# KiCad board P5S533-TVM ISA R101G.kicad_pcb (continued)
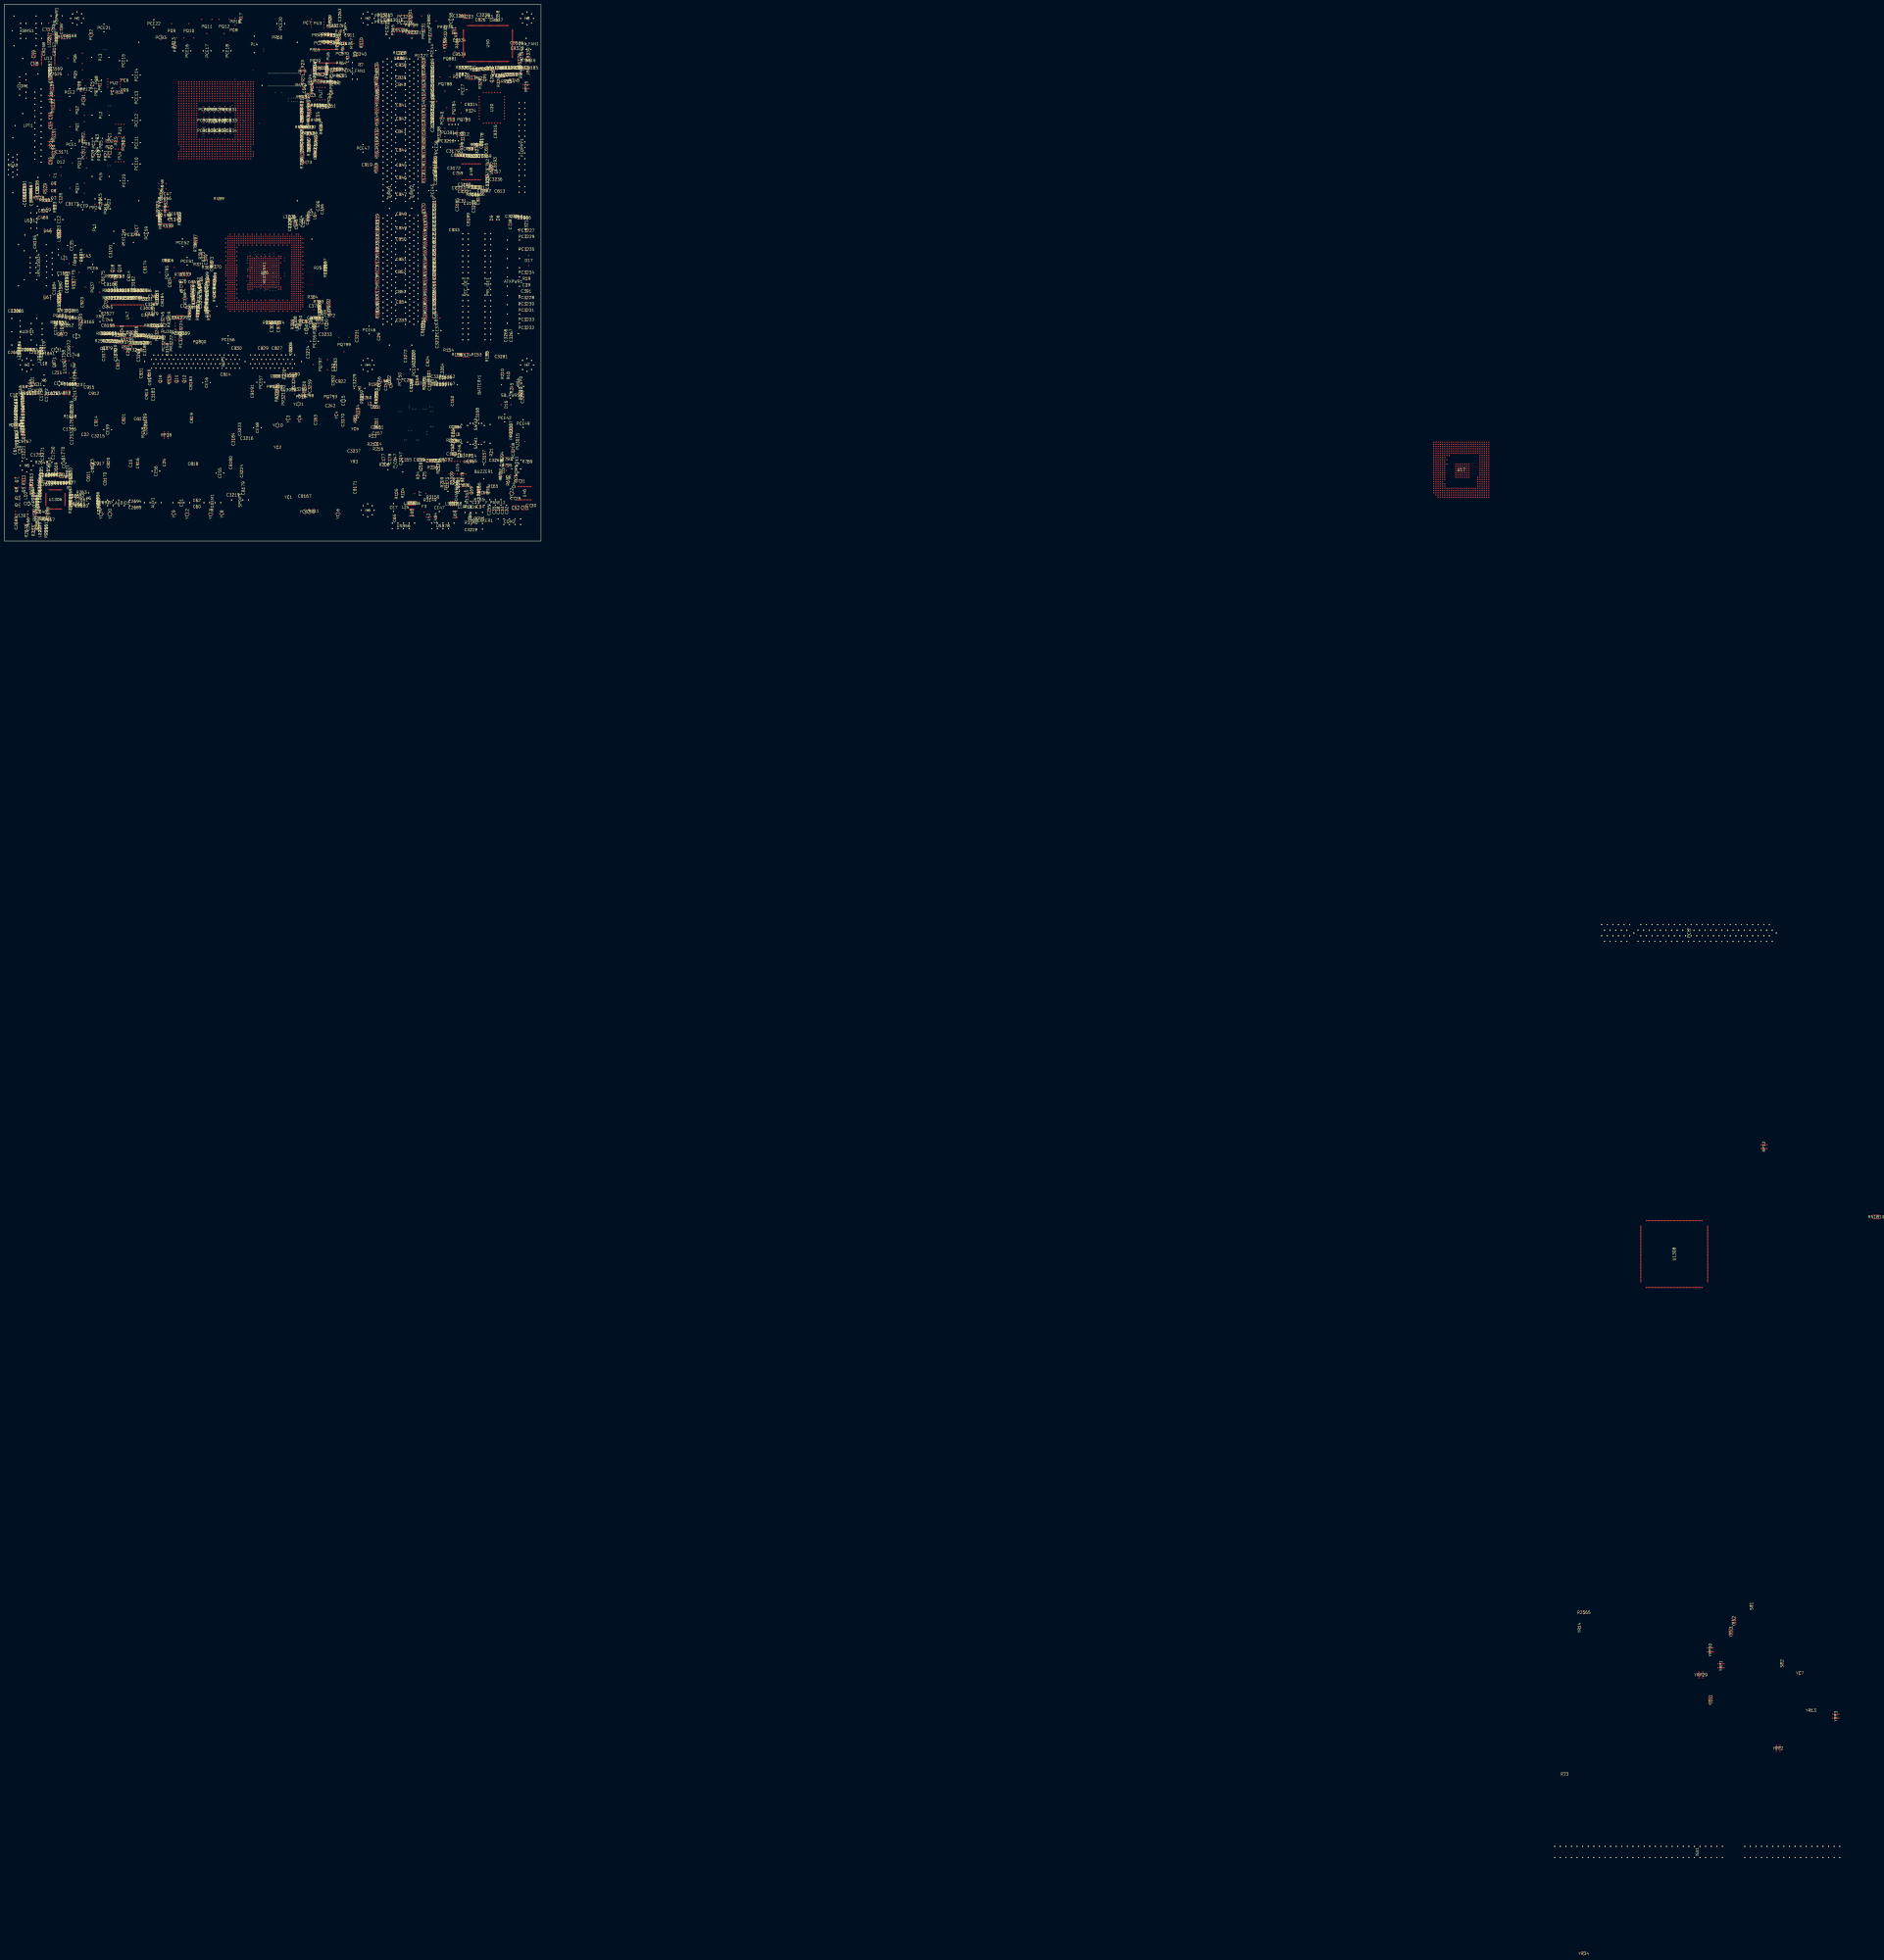
[diagram p0: board, top side]
## Placement (name value [footprint] x y rotation side) (continued)
C1773  0.1UF/25V|MLCC/+80%-20%  [C0603]  5.46 66.42 180 top
C1774  0.1UF/25V|MLCC/+80%-20%  [C0603]  5.23 64.14 90 top
C1775  0.01U|+/-10%  [C0603]  5.23 57.71 270 top
C1776  0.01U|+80%-20%  [C0603]  28.52 118.14 90 top
C1777  0.01U|+80%-20%  [C0603]  28.45 119.43 90 top
C1778  0.01U|+80%-20%  [C0603]  28.45 115.54 90 top
C1779  0.01U|+80%-20%  [C0603]  28.45 116.81 90 top
C1781  0.01U|+/-10%  [C0603]  5.74 52.68 0 top
C1784  0.1UF/25V|MLCC/+80%-20%  [C0603]  8.43 59.99 90 top
C2646  1U|+80%-20%  [C0603]  16.33 13.34 0 top
C2647  1U|+80%-20%  [C0603]  21.84 26.42 0 top
C2648  1U|+80%-20%  [C0603]  20.07 29.97 0 top
C2649  4700P|+/-10%  [C0603]  18.8 29.97 180 top
C2650  4700P|+/-10%  [C0603]  21.39 29.97 0 top
C2651  2.2UF/6.3V|MLCC/+80%-20%  [C0603]  19.05 25.78 180 top
C2652  47P|+/-5%  [C0603]  33.4 20.47 180 top
C2653  2.2UF/6.3V|MLCC/+80%-20%  [C0603]  20.32 26.67 180 top
C2654  C0402|0.1UF  [C0402]  30.02 17.09 270 top
C2655  C0402|0.1UF  [C0402]  29.97 20.83 270 top
C2656  0.1UF/25V|MLCC/+80%-20%  [C0603]  42.47 19.43 90 top
C2657  0.1UF/25V|MLCC/+80%-20%  [C0603]  18.29 10.03 180 top
C2658  C0402|0.1UF  [C0402]  16.13 20.32 270 top
C2660  22P|+/-5%  [C0603]  35.05 15.98 180 top
C2661  22P|+/-5%  [C0603]  35.05 18.8 0 top
C2662  1U|+80%-20%  [C0603]  12.95 21.72 270 top
C2663  C0402|0.1UF  [C0402]  16 21.59 270 top
C2664  1000P|+/-10%  [C0603]  14.86 19.18 270 top
C2665  0.1UF/25V|MLCC/+80%-20%  [C0603]  5.33 8.13 270 top
C2666  10UF|+80%-20%  [C1206]  10.79 7.62 90 top
C2667  0.1UF/25V|MLCC/+80%-20%  [C0603]  16.26 23.11 90 top
C2668  1000P|+/-10%  [C0603]  14.86 17.91 270 top
C2669  1UF/10V|MLCC/+80%-20%  [C0603]  26.92 26.42 0 top
C2670  1U|+80%-20%  [C0603]  14.99 16.64 270 top
C2672  1UF/10V|MLCC/+80%-20%  [C0603]  28.19 26.42 0 top
C2674  1U|+80%-20%  [C0603]  15.37 15.37 270 top
C2675  1UF/10V|MLCC/+80%-20%  [C0603]  23.11 26.42 0 top
C2676  1UF/10V|MLCC/+80%-20%  [C0603]  25.65 26.42 0 top
C2677  C0402|0.1UF  [C0402]  29.46 26.54 0 top
C2678  1UF/10V|MLCC/+80%-20%  [C0603]  24.38 26.42 0 top
C2679  100P|+/-5%  [C0603]  27.89 29.21 0 top
C2680  100P|+/-5%  [C0603]  16.64 85.09 90 top
C2681  100P|+/-5%  [C0603]  16.76 86.49 90 top
C2682  100P|+/-5%  [C0603]  10.67 87 0 top
C2683  100P|+/-5%  [C0603]  12.19 87.02 0 top
C2684  100P|+/-5%  [C0603]  4.47 85.72 0 top
C2685  100P|+/-5%  [C0603]  6.76 87.86 90 top
C2686  4.7U|+80%-20%  [C0805]  16 25.35 270 top
C2687  4.7U|+80%-20%  [C0805]  16.13 27.38 270 top
C2688  4.7U|+80%-20%  [C0805]  19.74 12.45 90 top
C2689  100P|+/-5%  [C0603]  59.31 15.24 0 top
C2690  100P|+/-5%  [C0603]  42.85 15.01 270 top
C2691  100P|+/-5%  [C0603]  42.88 16.33 270 top
C2692  C0402|0.1UF  [C0402]  44.78 17.53 0 top
C2693  100P|+/-5%  [C0603]  42.47 18.16 90 top
C2694  100P|+/-5%  [C0603]  59.31 18.03 180 top
C3006  C0402|0.1UF  [C0402#4]  64.64 105.79 0 top
C3150  10P|+/-5%  [C0603]  145.8 124.16 270 top
C3157  C0402|0.1UF  [C0402]  218.06 38.35 270 top
C3158  C0402|0.1UF  [C0402]  74.04 87.12 270 top
C3159  C0402|0.1UF  [C0402#2]  184.91 70.61 90 top
C3166  C0402|0.1UF  [C0402#2]  215.26 157.61 180 top
C3167  C0402|0.1UF  [C0402#2]  208.91 161.93 180 top
C3168  C0402|0.1UF  [C0402#3]  215.01 57.53 270 top
C3169  C0402|0.1UF  [C0402]  23.39 214.58 0 top
C3170  C0402|0.1UF  [C0402]  153.8 54.89 270 top
C3171  C0402|0.1UF  [C0402#2]  26.16 176.78 180 top
C3172  C0402|0.1UF  [C0402]  204.22 169.42 0 top
C3173  C0402|0.1UF  [C0402]  45.09 84.71 270 top
C3174  C0402|0.1UF  [C0402#2]  200.41 70.99 180 top
C3176  C0402|0.1UF  [C0402]  50.55 117.73 270 top
C3178  C0402|0.1UF  [C0402#4]  217.04 182.5 90 top
C3179  C0402|0.1UF  [C0402]  203.71 177.16 0 top
C3182  C0402|0.1UF  [C0402#2]  58.55 117.22 90 top
C3183  C0402|0.1UF  [C0402#2]  67.56 66.55 90 top
C3184  C0402|0.1UF  [C0402#2]  104.01 46.23 90 top
C3185  C0402|0.1UF  [C0402]  205.74 152.78 270 top
C3187  C0402|0.1UF  [C0402]  69.34 110.74 270 top
C3189  C0402|0.1UF  [C0402]  63.75 87.12 270 top
C3190  C0402|0.1UF  [C0402]  211.58 153.42 0 top
C3191  C0402|0.1UF  [C0402#2]  48.23 131.7 90 top
C3205  0.01U|+80%-20%  [C0603]  89.13 108.69 90 top
C3206  C0402|0.1UF  [C0402#2]  91.95 108.66 90 top
C3207  0.01U|+80%-20%  [C0603]  129.79 145.03 270 top
C3208  C0402|0.1UF  [C0402]  129.67 143.76 270 top
C3209  C0402|0.1UF  [C0402#2]  200.28 74.17 180 top
C3210  C0402|0.1UF  [C0402]  196.72 71.12 0 top
C3214  C0402|0.1UF  [C0402]  34.8 129.92 270 top
C3215  C0402|0.1UF  [C0402]  42.55 47.75 0 top
C3216  C0402|0.1UF  [C0402#2]  110.11 46.69 180 top
C3218  C0402|0.1UF  [C0402#2]  213.23 152.02 90 top
C3219  C0402|0.1UF  [C0402]  103.89 20.95 0 top
C3220  C0402|0.1UF  [C0402]  235.33 65.53 270 top
C3221  C0402|0.1UF  [C0402]  8.64 40.39 270 top
C3222  C0402|0.1UF  [C0402]  211.96 5.08 0 top
C3223  C0402|0.1UF  [C0402]  106.93 50.8 270 top
C3224  C0402|0.1UF  [C0402]  107.82 31.75 270 top
C3225  C0402|0.1UF  [C0402#2]  64.26 51.31 90 top
C3228  C0402|0.1UF  [C0402]  185.93 83.82 270 top
C3229  C0402|0.1UF  [C0402]  159.13 72.9 270 top
C3230  C0402|0.1UF  [C0402]  185.93 82.8 270 top
C3231  C0402|0.1UF  [C0402]  160.15 93.22 270 top
C3232  C0402|0.1UF  [C0402]  196.6 90.55 270 top
C3233  C0402|0.1UF  [C0402#2]  145.8 93.85 180 top
C3234  C0402|0.1UF  [C0402]  137.92 85.72 270 top
C3235  C0402|0.1UF  [C0402#2]  195.33 110.62 90 top
C3236  C0402|0.1UF  [C0402]  223.27 164.34 0 top
C3237  C0402|0.1UF  [C0402]  158.8 40.89 0 top
C3238  C0402|0.1UF  [C0402]  217.55 239.01 0 top
C3239  C0402|0.1UF  [C0402]  230.5 147.57 0 top
C3240  C0402|0.1UF  [C0402#2]  161.54 221.23 180 top
C3246  C0402|0.1UF  [C0402]  206.76 40.87 270 top
C3247  C0402|0.1UF  [C0402]  180.09 37.47 270 top
C3260  C0402|0.1UF  [C0402]  223.14 36.7 0 top
C3261  C0402|0.1UF  [C0402]  206.76 238.68 0 top
C3262  C0402|0.1UF  [C0402]  232.54 147.57 0 top
C3263  C0402|0.1UF  [C0402]  152.4 239.01 270 top
C3264  C0402|0.1UF  [C0402]  199.01 77.85 270 top
C3267  C0402|0.1UF  [C0402#2]  230.25 93.34 90 top
C3268  C0402|0.1UF  [C0402#4]  227.79 93.34 270 top
C3269  C0402|0.1UF  [C0402]  60.96 84.33 270 top
C3270  C0402|0.1UF  [C0402#2]  50.67 84.58 90 top
C3272  C0402|0.1UF  [C0402]  182.25 84.07 270 top
C3273  C0805|10UF/10V  [C0805]  219.58 166.12 270 top
C3274  0.1U|+80%-20%  [C0603]  219.58 164.08 270 top
C3275  0.01U|+80%-20%  [C0603]  219.58 162.81 270 top
C3276  22P|+/-5%  [C0603]  215.9 174.88 0 top
C3277  10P|+/-5%  [C0603]  214.63 174.88 0 top
C3278  C0805|10UF/10V  [C0805]  65.15 102.62 180 top
C3279  0.1U|+80%-20%  [C0603]  66.93 103.25 180 top
C3280  0.01U|+80%-20%  [C0603]  66.8 107.57 0 top
C3281  C0402|0.1UF  [C0402]  225.7 83.82 0 top
C3283  C0402|0.1UF  [C0402]  150.5 80.14 270 top
C3284  C0402|0.1UF  [C0402#2]  196.72 74.68 180 top
C3285  0.1UF/16V|MLCC/+/-10%  [C0603]  5.84 104.52 0 top
C3286  0.1UF/16V|MLCC/+/-10%  [C0603]  4.57 104.52 0 top
CB13  C0402|0.1UF  [C0402#2]  124.33 74.93 180 top
CB14  C0402|0.1UF  [C0402#2]  100.46 75.69 180 top
CB15  C0402|0.1UF  [C0402#2]  215.26 155.19 90 top
CB16  C0402|0.1UF  [C0402#2]  59.94 95.25 90 top
CB25  C0402|0.1UF  [C0402]  130.18 87.12 270 top
CB26  C0402|0.1UF  [C0402]  130.05 88.14 270 top
CB27  C0402|0.1UF  [C0402]  123.83 87.63 0 top
CB28  C0402|0.1UF  [C0402#2]  123.19 74.93 180 top
CB29  C0402|0.1UF  [C0402]  117.47 87.63 0 top
CB30  C0402|0.1UF  [C0402]  105.41 87.63 0 top
CB31  C0402|0.1UF  [C0402#2]  62.1 76.2 90 top
CB32  C0402|0.1UF  [C0402]  149.35 73.03 270 top
CB33  C0402|0.1UF  [C0402]  204.34 141.35 0 top
CB34  C0402|0.1UF  [C0402]  75.18 117.6 270 top
CB35  C0402|0.1UF  [C0402#3]  180.72 219.33 180 top
CB36  C0402|0.1UF  [C0402#3]  179.32 219.33 180 top
CB37  C0402|0.1UF  [C0402]  180.59 221.62 0 top
CB38  C0402|0.1UF  [C0402#2]  180.21 216.28 180 top
CB39  C0402|0.1UF  [C0402#2]  180.09 210.57 180 top
CB40  C0402|0.1UF  [C0402#2]  180.09 207.39 180 top
CB41  C0402|0.1UF  [C0402#2]  180.34 198.12 180 top
CB42  C0402|0.1UF  [C0402#2]  180.24 191.9 180 top
CB43  C0402|0.1UF  [C0402#2]  180.09 186.06 180 top
CB44  C0402|0.1UF  [C0402#2]  180.34 177.67 180 top
CB45  C0402|0.1UF  [C0402#2]  180.34 170.81 180 top
CB46  C0402|0.1UF  [C0402#2]  180.34 165.1 180 top
CB47  C0402|0.1UF  [C0402#2]  180.34 157.48 180 top
CB48  C0402|0.1UF  [C0402#2]  180.34 148.59 180 top
CB49  C0402|0.1UF  [C0402#2]  180.34 142.24 180 top
CB50  C0402|0.1UF  [C0402#2]  180.21 137.16 180 top
CB51  C0402|0.1UF  [C0402#2]  180.21 128.02 180 top
CB52  C0402|0.1UF  [C0402]  180.09 122.3 0 top
CB53  C0402|0.1UF  [C0402#2]  180.09 113.28 180 top
CB54  C0402|0.1UF  [C0402#2]  180.34 108.58 180 top
CB78  C0402|0.1UF  [C0402#2]  124.46 97.26 90 top
CB79  C0402|0.1UF  [C0402#2]  139.95 101.37 180 top
CB80  C0402|0.1UF  [C0402]  143.26 106.83 270 top
CB81  1UF/10V|MLCC/+80%-20%  [C0603]  127.38 128.02 180 bottom
CB82  0.1U|+80%-20%  [C0603]  127.38 121.03 180 bottom
CB83  0.1U|+80%-20%  [C0603#4]  111.63 124.21 90 bottom
CB84  1UF/10V|MLCC/+80%-20%  [C0603]  122.17 117.22 180 bottom
CB85  0.1U|+80%-20%  [C0603]  116.46 115.32 0 bottom
CB86  1UF/10V|MLCC/+80%-20%  [C0603]  121.92 114.43 0 bottom
CB87  1UF/10V|MLCC/+80%-20%  [C0603#4]  111.63 116.97 90 bottom
CB88  1UF/10V|MLCC/+80%-20%  [C0603#4]  111 127.51 90 bottom
CB89  0.1U|+80%-20%  [C0603#4]  111 119.89 90 bottom
CB90  0.1U|+80%-20%  [C0603]  111.12 113.41 0 bottom
CB91  0.1U|+80%-20%  [C0603]  114.68 114.68 0 bottom
CB92  0.1U|+80%-20%  [C0603#4]  110.74 118.24 90 bottom
CB93  1UF/10V|MLCC/+80%-20%  [C0603]  118.24 129.54 180 bottom
CB94  0.1U|+80%-20%  [C0603]  115.19 129.54 180 bottom
CB95  1UF/10V|MLCC/+80%-20%  [C0603#4]  111 126.24 90 bottom
CB96  0.1U|+80%-20%  [C0603]  111.63 130.43 180 bottom
CB97  0.1U|+80%-20%  [C0603#4]  111.12 122.81 90 bottom
CB98  C0402|0.1UF  [C0402#2]  95.83 119.76 90 top
CB99  C0402|0.1UF  [C0402]  92.2 119.89 270 top
CB100  0.1U|+80%-20%  [C0603]  123.19 114.43 0 bottom
CB105  0.1UF/25V|MLCC/+80%-20%  [C0603]  13.84 135.89 90 top
CB106  4.7U|+80%-20%  [C1206]  194.82 199.64 90 top
CB107  4.7U|+80%-20%  [C1206]  196.22 101.35 90 top
CB108  1UF/10V|MLCC/+80%-20%  [C0603#4]  122.81 121.92 90 bottom
CB109  C0402|0.1UF  [C0402]  144.27 101.6 270 top
CB111  1UF/10V|MLCC/+80%-20%  [C0603#4]  122.81 120.02 90 bottom
CB114  0.1U|+80%-20%  [C0603]  122.43 130.18 180 bottom
CB115  4.7U|+80%-20%  [C1206]  195.33 169.67 90 top
CB132  0.1U|+80%-20%  [C0603]  20.7 215.14 270 top
CB157  0.1U|+80%-20%  [C0603]  22.68 223.55 90 top
CB158  0.1U|+80%-20%  [C0603]  17.91 223.55 270 top
CB159  0.1U|+80%-20%  [C0603]  120.65 114.43 0 bottom
CB160  1UF/10V|MLCC/+80%-20%  [C0603]  118.24 114.43 0 bottom
CB165  C0402|0.1UF  [C0402#2]  37.85 99.57 180 top
CB167  C0402|0.1UF  [C0402]  136.42 20.4 0 top
CB168  C0402|0.1UF  [C0402]  29.72 229.59 0 top
CB170  C0402|0.1UF  [C0402#2]  45.72 28.19 90 top
CB171  C0402|0.1UF  [C0402]  159.26 24.38 270 top
CB172  C0402|0.1UF  [C0402#7]  187.71 45.85 90 bottom
CB173  C0402|0.1UF  [C0402]  30.73 153.16 0 top
CB174  C0402|0.1UF  [C0402#2]  63.88 124.59 90 top
CB175  C0402|0.1UF  [C0402]  44.83 119.76 270 top
CB177  C0402|0.1UF  [C0402]  66.04 73.66 270 top
CB178  C0402|0.1UF  [C0402]  208.15 28.32 270 top
CB179  C0402|0.1UF  [C0402#2]  108.58 24 90 top
CB180  C0402|0.1UF  [C0402#3]  102.87 35.56 90 top
CB181  C0402|0.1UF  [C0402#8]  194.18 51.94 270 bottom
CB182  C0402|0.1UF  [C0402]  189.99 96.01 270 top
CB183  C0402|0.1UF  [C0402#2]  84.71 71.75 90 top
CB184  C0402|0.1UF  [C0402]  71.75 109.6 270 top
CB185  C0402|0.1UF  [C0402]  239.5 215.04 0 top
CB186  C0402|0.1UF  [C0402]  48.13 116.59 0 top
CB188  C0402|0.1UF  [C0402]  46.99 97.92 0 top
CB189  C0402|0.1UF  [C0402]  210.82 146.05 270 top
CB191  C0402|0.1UF  [C0402#2]  112.65 68.07 90 top
CB192  C0402|0.1UF  [C0402#2]  200.63 37.06 180 top
CB193  C0402|0.1UF  [C0402#2]  223.01 171.45 90 top
CB314  C0402|0.1UF  [C0402]  212.04 198.37 0 top
CB315  C0402|0.1UF  [C0402]  223.14 186.06 270 top
CB326  C0402|0.1UF  [C0402#3]  230.5 215.01 180 top
CB327  C0402|0.1UF  [C0402#2]  234.95 215.26 180 top
CB328  0.1U|+80%-20%  [C0603]  233.02 223.9 0 top
CB329  C0402|0.1UF  [C0402#3]  228.98 215.01 0 top
CB330  0.1U|+80%-20%  [C0603]  238 221.21 270 top
CB331  C0402|0.1UF  [C0402]  226.69 214.88 0 top
CB332  C0402|0.1UF  [C0402]  227.71 214.88 0 top
CB534  C0402|0.1UF  [C0402#2]  206.68 227.58 180 top
CB536  C0402|0.1UF  [C0402]  232.79 226.31 0 top
CB537  C0402|0.1UF  [C0402]  223.52 236.73 0 top
CB539  C0402|0.1UF  [C0402#2]  206.6 221.18 180 top
CB540  C0402|0.1UF  [C0402#2]  217.3 214.76 180 top
CB972  10UF|+80%-20%  [C1206]  29.34 88.27 270 top
CD1  WAFER HD 4P S/T 2.54,BLACK,CD  [PIN]  80.39 17.42 270 top
CE2  CAP EL 820UF/6.3V 8*11.5 20%  [MB_CE_820U_6D3V_8X12_LFH]  24.77 146.05 270 top
CE3  CAP EL 100UF/16V 5*11 DIP-T  [MB_CE_100U_16V_5X11_LFH]  32.64 93.09 0 top
CE7  CAP EL 820UF/6.3V 8*11.5 20%  [MB_CE_820U_6D3V_8X12_LFH]  176.83 15.24 0 top
CE15  100UF/16V|EL/LF_T=1000HRS_105C/+/-20%  [MB_CE_100U_16V_5X11_LFH]  153.97 63.75 270 top
CE16  CAP EL 820UF/6.3V 8*11.5 20%  [MB_CE_820U_6D3V_8X12_LFH]  91.82 71.98 270 top
CE31  CAP EL 100UF/16V 5*11 DIP-T  [MB_CE_100U_16V_5X11_LFH]  23.62 86.89 0 top
CE32  CAP EL 100UF/16V 5*11 DIP-T  [MB_CE_100U_16V_5X11_LFH]  24.87 71.58 0 top
CE35  CAP EL 820UF/6.3V 8*11.5 20%  [MB_CE_820U_6D3V_8X12_LFH]  30.48 134.24 270 top
CE40  CAP EL 100UF/16V 5*11 DIP-T  [MB_CE_100U_16V_5X11_LFH]  26.95 35.41 270 top
CE41  CAP EL 100UF/16V 5*11 DIP-T  [MB_CE_100U_16V_5X11_LFH]  20.6 35.86 270 top
CE42  CAP EL 10U/25V 4*5 DIP-T  [MB_CE_10U_25V_4X5_LFH]  11.18 17.02 0 top
CE47  CAP EL 820UF/6.3V 8*11.5 20%  [MB_CE_820U_6D3V_8X12_LFH]  197.64 15.16 0 top
CE49  10UF/25V|EL/LF_T=1000HRS_105C/+/-20%  [MB_CE_10U_25V_4X5_LFH]  82.3 106.81 0 top
CE50  10UF/25V|EL/LF_T=1000HRS_105C/+/-20%  [MB_CE_10U_25V_4X5_LFH]  137.24 96.27 270 top
CE55  820UF/6.3V|EL/LF_T=2000HRS_105C/+/-20%  [MB_CE_820U_6D3V_8X12_LFH]  97.92 30.89 270 top
CE56  CAP EL 820UF/6.3V 8*11.5 20%  [MB_CE_820U_6D3V_8X12_LFH]  68.83 31.75 270 top
CE58  CAP EL 820UF/6.3V 8*11.5 20%  [MB_CE_820U_6D3V_8X12_LFH]  114.96 51.44 270 top
CE59  820UF/6.3V|EL/LF_T=2000HRS_105C/+/-20%  [MB_CE_820U_6D3V_8X12_LFH]  46.91 50.6 270 top
CE60  10UF/25V|EL/LF_T=1000HRS_105C/+/-20%  [MB_CE_10U_25V_4X5_LFH]  146.3 98.55 270 top
CHA_FAN1  WAFER HD 3P S/T 2.54 W/POST  [WF_HD_1X3P_100_HD_FOX_LF3]  238.18 225.91 0 top
CHASSIS1  HD_1X4P_100_K2_LF3|1X4P_K2  [HD_1X4P_100_K2_LF3]  205.36 22.61 270 top
CLRTC1  HEADER 1X3P,2.54mm,S/T  [HD_1X3P_100_LF3]  209.3 15.49 0 top
CN1  150P|+/-20%  [C_ARRAY_8P_126X63]  236.47 15.11 180 top
CN2  150P|+/-20%  [C_ARRAY_8P_126X63]  232.28 15.11 180 top
CN3  150P|+/-20%  [C_ARRAY_8P_126X63]  20.95 209.8 90 top
CN4  150P|+/-20%  [C_ARRAY_8P_126X63#2]  20.95 188.9 90 top
CN5  150P|+/-20%  [C_ARRAY_8P_126X63]  20.95 172.72 90 top
CN6  150P|+/-20%  [C_ARRAY_8P_126X63#2]  20.98 193.22 90 top
CN7  150P|+/-20%  [C_ARRAY_8P_126X63#2]  20.6 229.18 90 top
CN8  150P|+/-20%  [C_ARRAY_8P_126X63]  13.72 216.89 180 top
CN9  150P|+/-20%  [C_ARRAY_8P_126X63]  13.34 221.21 90 top
COM1  D-SUB 9P M,R/A,DIP,GREEN  [D_SUB_9P_2HOLD_M_LF3]  8.36 206.73 180 top
COM2  BOX HEAD 2X5P S/T 2.54mm K10  [PORT]  229.49 8.76 180 top
CPU_FAN1  WAFER HD 4P S/T 2.54POST,WHITE  [MB_WF_HD_1X4P_100_HD_LF3]  159.21 213.61 180 top
D3  SOD323|1N4148WS  [SOD323]  226.8 32.05 90 top
D4  SOT323|BAT54CW  [SOT323]  231.52 25.4 270 top
D5  SOT323|BAW56W  [SOT323]  221.36 146.81 270 top
D6  SOT323|BAW56W  [SOT323]  224.28 146.81 270 top
D7  SOT323|BAV99W_L  [SOT323]  22.35 155.83 0 top
D8  SOT323|BAV99W_L  [SOT323]  22.35 159.13 0 top
D9  SOT323|BAV99W_L  [SOT323]  22.35 162.43 0 top
D10  SOT323|BAT54CW  [SOT323]  228.98 75.18 90 top
D11  SOD323|1N4148WS  [SOD323]  200.53 25.02 90 top
D12  SMA|SS14  [SMA]  25.65 172.21 180 top
D16  SMA|SS14  [SMA]  227.97 61.98 270 top
D17  SMA|SS14  [SMA]  238.25 127.51 180 top
D24  SOT323|BAT54CW  [SOT323]  232.41 28.63 90 top
D3009  SOD323|1N4148WS  [SOD323]  203.33 28.45 90 top
DIMM1  DDR DIMM 184P,2.5V,NY,G/F,BK  [DDR_184P_100_LF3]  174.96 158.75 90 top
DIMM2  DDR DIMM 184P,2.5V,NY,G/F,BK  [DDR_184P_100_LF3]  185.12 158.75 90 top
F1  POLYSWITCH_2P_1812_H59|1.6A/6V  [POLYSWITCH_2P_1812_H59]  23.11 166.12 90 top
F3  POLYSWITCH_2P_1812_H59|1.6A/6V  [POLYSWITCH_2P_1812_H59]  190.75 15.75 180 top
F5  POLYSWITCH_2P_1812_H59|1.6A/6V  [POLYSWITCH_2P_1812_H59]  31.34 122.07 90 top
F6  POLYSWITCH_2P_1812_H59|1.6A/6V  [POLYSWITCH_2P_1812_H59]  32 126.09 90 top
F7  POLYSWITCH_2P_1812_H59|1.6A/6V  [POLYSWITCH_2P_1812_H59]  188.95 21.56 90 top
F9  POLYSWITCH_2P_1812_H59|1.6A/6V  [POLYSWITCH_2P_1812_H59]  22.78 235.33 90 top
F_PANEL1  HEADER 2X5P 2.54mm S/T K10 G/F  [HD_2X5P_100_K10_FXCN_LF3]  223.14 17.53 0 top
FLOPPY1  BOX HEAD 2X17P S/T,K5 BK  [BOX_HD_2X17P_100_K5_D46_LF3]  235.2 178.82 90 top
FP_AUDIO1  HEADER 2X5P K8 2.54mm S/T G/F  [HD_2X5P_100_K8_LF3]  51.94 17.32 0 top
H1  MB_HOLE_160_T_U_LF3|MB_HOLE_160_T_U_LF3  [MB_HOLE_160_T_U_LF3]  33.02 237.49 0 top
H2  MB_HOLE_160_T_U_LF3|MB_HOLE_160_T_U_LF3  [MB_HOLE_160_T_U_LF3]  165.1 237.49 0 top
H3  MB_HOLE_160_T_LF3|MB_HOLE_160_T_LF3  [MB_HOLE_160_T_LF3]  10.16 80.01 0 top
H4  MB_HOLE_160_T_LF3|MB_HOLE_160_T_LF3  [MB_HOLE_160_T_LF3]  165.1 80.01 0 top
H5  MB_HOLE_160_T_LF3|MB_HOLE_160_T_LF3  [MB_HOLE_160_T_LF3]  10.16 34.29 0 top
H6  MB_HOLE_160_T_LF3|MB_HOLE_160_T_LF3  [MB_HOLE_160_T_LF3]  165.1 13.97 0 top
H7  MB_HOLE_160_T_R_LF3|MB_HOLE_160_T_R_LF3  [MB_HOLE_160_T_R_LF3]  237.49 80.01 0 top
H8  MB_HOLE_160_T_UR_LF3|MB_HOLE_160_T_UR_LF3  [MB_HOLE_160_T_UR_LF3]  237.49 237.49 0 top
HEATSINK1  HEAT SINK FOR SIS630 CHIPSET  [SINK]  118.11 121.92 270 top
IR_CON1  HEADER 1X5P S/T,2.54mm,K2,BK  [HD_1X5P_100_K2_LF3]  214.4 10.29 0 top
ISA1  ISA BUS SLOT 98P 2.54mm G/F  [SLOT_ISA_98P_100_STAR_LF3]  769.23 -595.71 270 top
ITP1  SCONN60_EPG082001_NONMASK|ITP_CON_60P  [SCONN60_EPG082001_NONMASK]  127.13 209.68 0 bottom
J1  HEADER 1X3P,2.54mm,S/T  [HD_1X3P_100_LF3]  154.94 232.79 0 top
JP2  SHORTPIN|SHORTPIN  [SHORTPIN]  203.84 43.61 90 top
JP3  SHORTPIN|SHORTPIN  [SHORTPIN]  69.65 152.76 270 top
JP4  MB_SHORTPIN_RECTANGLE_LF3|SHORT_PIN  [MB_SHORTPIN_RECTANGLE_LF3]  238 213.36 90 top
KBMS1  MINI DIN 6P,STACK W/S,PC99  [MINI_DIN_2X6P_5HOLD_KBMS_LF3]  10.24 231.8 0 top
KBPWR1  HEADER 1X3P,2.54mm,S/T  [HD_1X3P_100_LF3]  23.75 238.63 270 top
L1  L0603|120OHM/100MHZ  [L0603]  166.12 62.48 0 top
L2  L0603|120OHM/100MHZ  [L0603]  174.9 74.17 90 top
L4  L0603|120OHM/100MHZ  [L0603]  203.96 50.16 90 top
L5  L0603|120OHM/100MHZ  [L0603]  204.47 39.73 0 top
L6  L0603|120OHM/100MHZ  [L0603]  205.99 48.46 180 top
L7  L0603|120OHM/100MHZ  [L0603]  189.23 32.77 90 top
L8  L0805_H43|70OHM/100MHZ  [L0805_H43]  31.24 80.01 0 top
L10  L0603|120OHM/100MHZ  [L0603]  9.65 20.57 270 top
L11  L0603|120OHM/100MHZ  [L0603]  13.21 5.74 270 top
L15  L0603|120OHM/100MHZ  [L0603]  5.23 50.19 270 top
L18  L0603|120OHM/100MHZ  [L0603]  17.86 80.64 0 top
L19  L0805|70OHM/100MHZ  [L0805]  19.43 150.5 180 top
L21  L0805|70OHM/100MHZ  [L0805]  27.18 128.75 0 top
L25  L0805|70OHM/100MHZ  [L0805]  182.19 15.37 180 top
L42  L0805|70OHM/100MHZ  [L0805]  192.79 10.92 270 top
L45  L0603|120OHM/100MHZ  [L0603]  12.06 158.88 90 top
L46  L0603|120OHM/100MHZ  [L0603]  12.06 160.15 90 top
L47  L0603|120OHM/100MHZ  [L0603]  12.06 161.42 90 top
L48  L0603|120OHM/100MHZ  [L0603]  172.72 72.77 0 top
L49  L0603|120OHM/100MHZ  [L0603]  199.14 74.04 180 top
L51  L0603|120OHM/100MHZ  [L0603]  190.88 73.41 270 top
L54  L0603|120OHM/100MHZ  [L0603#2]  139.32 149.48 270 top
L55  L0603|120OHM/100MHZ  [L0603]  140.59 97.74 270 top
L60  L0603|120OHM/100MHZ  [L0603]  91.57 105.18 90 top
L61  L0603|120OHM/100MHZ  [L0603#2]  131.44 146.81 90 top
L63  L0603|120OHM/100MHZ  [L0603]  132.84 97.16 270 top
L64  L0603|120OHM/100MHZ  [L0603#2]  140.97 147.83 270 top
L65  L0603|120OHM/100MHZ  [L0603]  85.5 111.38 270 top
L66  L0603|120OHM/100MHZ  [L0603]  89.51 118.49 270 top
L67  L0603|120OHM/100MHZ  [L0603]  88.77 115.06 270 top
L98  L0603|120OHM/100MHZ  [L0603]  23.62 229.74 90 top
L99  L0603|120OHM/100MHZ  [L0603]  23.62 227.2 270 top
L100  L0805|70OHM/100MHZ  [L0805]  22.35 232.28 90 top
L101  L0603|120OHM/100MHZ  [L0603]  23.62 228.47 90 top
L102  L0603|120OHM/100MHZ  [L0603]  20.32 226.49 270 top
L103  L0603|120OHM/100MHZ  [L0603]  69.37 109.6 90 top
L105  L0603|120OHM/100MHZ  [L0603]  221.11 169.93 90 top
L106  L0805|10UH  [L0805]  71.3 157.84 90 top
L107  L0805|10UH  [L0805]  71.3 155.78 270 top
L108  L0603|120OHM/100MHZ  [L0603]  221.11 168.66 270 top
L109  L0603|120OHM/100MHZ  [L0603]  67.56 105.41 270 top
L211  L0603|120OHM/100MHZ  [L0603]  23.9 76.58 180 top
L2018  L0603|120OHM/100MHZ  [L0603]  15.75 83.82 270 top
L2019  L0603|120OHM/100MHZ  [L0603]  17.93 87.86 90 top
L2020  L0603|120OHM/100MHZ  [L0603]  9.4 87 0 top
L2021  L0603|120OHM/100MHZ  [L0603]  14.1 85.72 0 top
L2022  L0603|120OHM/100MHZ  [L0603]  6.6 85.22 90 top
L2023  L0603|120OHM/100MHZ  [L0603]  6.86 86.49 90 top
L2024  L0603|120OHM/100MHZ  [L0603]  16.13 4.47 90 top
L2025  L0603|120OHM/100MHZ  [L0603]  16.13 5.74 90 top
L2027  L0603|120OHM/100MHZ  [L0603]  16.43 10.41 180 top
L3027  L0603|120OHM/100MHZ  [L0603]  85.39 106.17 180 top
L3029  L0603|120OHM/100MHZ  [L0603]  195.58 71.5 180 top
L3032  CHOKE_4P_79X47_FUKUI|90OHM/300MA  [CHOKE_4P_79X47_FUKUI]  24.77 138.81 90 top
L3033  CHOKE_4P_79X47_FUKUI|90OHM/300MA  [CHOKE_4P_79X47_FUKUI]  24.77 140.64 90 top
L3034  CHOKE_4P_79X47_FUKUI|90OHM/300MA  [CHOKE_4P_79X47_FUKUI]  24.89 111.25 90 top
L3035  CHOKE_4P_79X47_FUKUI|90OHM/300MA  [CHOKE_4P_79X47_FUKUI]  24.89 109.42 90 top
L3036  CHOKE_4P_79X47_FUKUI|90OHM/300MA  [CHOKE_4P_79X47_FUKUI]  186.13 17.14 180 top
L3037  CHOKE_4P_79X47_FUKUI|90OHM/300MA  [CHOKE_4P_79X47_FUKUI]  184.3 17.14 180 top
L3038  CHOKE_4P_79X47_FUKUI|90OHM/300MA  [CHOKE_4P_79X47_FUKUI]  204.93 17.02 180 top
L3039  CHOKE_4P_79X47_FUKUI|90OHM/300MA  [CHOKE_4P_79X47_FUKUI]  203.1 17.02 180 top
L3208  L0603|120OHM/100MHZ  [L0603]  129.41 147.32 0 top
LAN_USB34  JACK USB/LAN,W/LED,10/100,TRA  [MB_LAN_USBX2_LEDX2_STC_LF3]  15.47 125.32 90 top
LGA775  SOCKET775|P4_SOCKET775  [SOCKET775]  97.1 190.6 180 top
LPT1  D-SUB 25P F,HIGH PORT,PC99,W/S  [D_SUB_25P2R_3HOLD_H_LF3]  10.79 188.75 0 top
MODEM1  WF_BOX_1X4P_100_4W_HD46_LF3|6  [PIN]  94.49 17.42 270 top
PC1  0.1UF/16V|MLCC/+/-10%  [C0603]  47.8 183.72 270 top
PC2  4700PF/50V|MLCC/+/-10%  [C0603]  40.56 180.16 90 top
PC3  0.47UF/16V|MLCC/+/-10%  [C0603]  54.03 181.56 270 top
PC4  0.1UF/16V|MLCC/+/-10%  [C0603]  49.05 204.47 90 top
PC5  4700PF/50V|MLCC/+/-10%  [C0603]  39.9 207.01 90 top
PC6  0.47UF/16V|MLCC/+/-10%  [C0603]  54.64 209.37 0 top
PC7  0.1UF/16V|MLCC/+/-10%  [C0603]  137.57 235.41 0 top
PC8  4700PF/50V|MLCC/+/-10%  [C0603]  104.22 232.18 0 top
PC9  0.47UF/16V|MLCC/+/-10%  [C0603]  147.98 237.19 270 top
PC10  0.1UF/16V|MLCC/+/-10%  [C0603]  54 179.78 270 top
PC11  4700PF/50V|MLCC/+/-10%  [C0603]  43.74 153.11 90 top
PC12  0.47UF/16V|MLCC/+/-10%  [C0603]  47.85 176.48 270 top
PC23  0.1UF|MLCC/+80%~-20%  [C0402#2]  144.68 214.96 180 top
PC24  0.47UF/16V|MLCC/+/-10%  [C0603]  143.03 226.26 0 top
PC27  1200PF/50V|MLCC/+/-10%  [C0603]  144.42 211.91 180 top
PC28  680PF/50V|MLCC/+/-10%  [C0603]  146.58 213.82 270 top
PC29  100PF/50V|MLCC/+/-5%  [C0603]  146.58 215.09 270 top
PC30  1000PF/50V|MLCC/+/-10%  [C0603]  150.39 214.07 180 top
PC31  0.01UF/50V|MLCC/+80%-20%  [C0603]  149 214.07 180 top
PC32  4700PF/50V|MLCC/+/-10%  [C0603]  151.28 225.53 270 top
PC33  330PF/50V|MLCC/+/-5%  [C0603]  151.28 226.8 270 top
PC34  0.047UF/16V|MLCC/+/-10%  [C0603]  151.66 214.45 180 top
PC35  100PF/50V|MLCC/+/-5%  [C0603]  153.19 211.4 180 top
PC36  1000PF/50V|MLCC/+/-10%  [C0603]  153.31 226.01 0 top
PC37  100PF/50V|MLCC/+/-5%  [C0603]  152.93 221.44 180 top
PC39  0.1UF/25V|MLCC/+/-10%  [C0603]  145.82 208.61 180 top
PC40  0.1UF/16V|MLCC/+80%~-20%  [C0402#2]  139.85 206.71 90 top
PC41  0.1UF/16V|MLCC/+80%~-20%  [C0402]  147.5 201.19 270 top
PC250  0.1UF/25V|MLCC/+/-10%  [C0603]  142.14 197.94 180 top
PC251  0.1UF/25V|MLCC/+/-10%  [C0603]  143.41 197.94 180 top
PC873  0.1UF/25V|MLCC/+/-10%  [C0603]  143.33 214.78 0 top
PC3212  0.1UF/16V|MLCC/+/-10%  [C0603]  207.54 184.91 180 top
PC3213  0.1UF/16V|MLCC/+80%~-20%  [C0402#2]  200.76 181.79 180 top
PC3214  1UF/6.3V|MLCC/+/-10%  [C0603]  182.12 238.25 180 top
PC3215  0.1UF/16V|MLCC/+80%~-20%  [C0402]  172.87 239.09 0 top
PC3216  1000PF/50V|MLCC/+/-10%  [C0603]  182.12 235.46 0 top
PC3217  0.1UF/16V|MLCC/+/-10%  [C0603]  187.1 231.01 180 top
PC3218  0.1UF/16V|MLCC/+/-10%  [C0603]  231.19 40.87 270 top
PC3221  0.1UF/16V|MLCC/+/-10%  [C0603]  173.84 233.32 90 top
PC3222  1000PF/50V|MLCC/+/-10%  [C0603]  124.21 70.1 180 top
PC3226  0.1UF/16V|MLCC/+80%~-20%  [C0402#2]  124.18 67.94 90 top
PC3227  0.1UF/16V|MLCC/+/-10%  [C0603]  237.24 141.1 0 top
PC3228  0.1UF/16V|MLCC/+/-10%  [C0603]  237.11 110.62 0 top
PC3229  0.1UF/16V|MLCC/+/-10%  [C0603]  237.24 138.3 0 top
PC3230  0.1UF/16V|MLCC/+/-10%  [C0603]  237.11 107.82 180 top
PC3231  0.1UF/16V|MLCC/+/-10%  [C0603]  237.11 104.9 0 top
PC3232  0.1UF/16V|MLCC/+/-10%  [C0603]  237.11 96.9 180 top
PC3233  0.1UF/16V|MLCC/+/-10%  [C0603]  237.11 100.71 0 top
PC3234  0.1UF/16V|MLCC/+/-10%  [C0603]  237.11 122.05 180 top
PC3235  0.1UF/16V|MLCC/+/-10%  [C0603]  237.24 132.59 0 top
PC3236  0.1UF/16V|MLCC/+/-10%  [C0603]  58.17 139.19 0 top
PC3242  0.1UF/16V|MLCC/+80%~-20%  [C0402]  69.98 97.92 0 top
PC3246  1000PF/50V|MLCC/+/-10%  [C0603]  71.88 100.58 270 top
PC3247  1000PF/50V|MLCC/+/-10%  [C0603]  76.96 101.35 0 top
PC3248  0.1UF/16V|MLCC/+/-10%  [C0603]  69.22 94.61 90 top
PC3251  0.1UF/16V|MLCC/+/-10%  [C0603]  131.44 72.26 90 top
PC3252  1000PF/50V|MLCC/+/-10%  [C0603]  80.14 91.31 270 top
PC3253  1000PF/50V|MLCC/+/-10%  [C0603]  72.26 89.79 90 top
PC3256  0.1UF/16V|MLCC/+80%~-20%  [C0402#2]  79.38 94.31 180 top
PC3257  0.1UF/16V|MLCC/+80%~-20%  [C0402#2]  69.75 92.46 180 top
PC3258  0.1UF/16V|MLCC/+80%~-20%  [C0402#2]  136.91 66.04 180 top
PC3259  0.1UF/16V|MLCC/+80%~-20%  [C0402]  138.81 69.72 270 top
PC3260  1000PF/50V|MLCC/+/-10%  [C0603]  133.73 68.96 0 top
PC3261  1000PF/50V|MLCC/+/-10%  [C0603]  173 236.73 0 top
PCB1  1UF/16V|MLCC/+/-10%  [C0805_H57]  35.99 200.51 270 top
PCB2  1UF/16V|MLCC/+/-10%  [C0805_H57]  39.37 230 90 top
PCB3  1UF/16V|MLCC/+/-10%  [C0805_H57]  71.04 228.75 180 top
PCB4  10UF/6.3V|MLCC/+/-10%  [C1206_RD9]  95.38 191.13 180 top
PCB5  10UF/6.3V|MLCC/+/-10%  [C1206_RD9]  100.2 196.09 0 top
PCB6  10UF/6.3V|MLCC/+/-10%  [C1206_RD9]  97.79 196.09 0 top
PCB7  10UF/6.3V|MLCC/+/-10%  [C1206_RD9]  95.38 196.09 0 top
PCB8  10UF/6.3V|MLCC/+/-10%  [C1206_RD9]  92.96 196.09 0 top
PCB9  10UF/6.3V|MLCC/+/-10%  [C1206_RD9]  90.6 196.09 0 top
PCB10  10UF/6.3V|MLCC/+/-10%  [C1206_RD9]  92.96 191.13 180 top
PCB11  10UF/6.3V|MLCC/+/-10%  [C1206_RD9]  90.6 186.44 0 top
PCB12  1UF/16V|MLCC/+/-10%  [C0805_H57]  35.86 176.5 270 top
PCB30  10UF/6.3V|MLCC/+/-10%  [C1206_RD9]  92.96 186.44 0 top
PCB31  10UF/6.3V|MLCC/+/-10%  [C1206_RD9]  102.62 196.09 0 top
PCB32  10UF/6.3V|MLCC/+/-10%  [C1206_RD9]  90.6 191.13 180 top
PCB33  10UF/6.3V|MLCC/+/-10%  [C1206_RD9]  102.62 191.13 180 top
PCB34  10UF/6.3V|MLCC/+/-10%  [C1206_RD9]  102.62 186.44 0 top
PCB35  10UF/6.3V|MLCC/+/-10%  [C1206_RD9]  100.2 186.44 0 top
PCB36  10UF/6.3V|MLCC/+/-10%  [C1206_RD9]  100.2 191.13 180 top
PCB37  10UF/6.3V|MLCC/+/-10%  [C1206_RD9]  97.79 186.44 0 top
PCB38  10UF/6.3V|MLCC/+/-10%  [C1206_RD9]  97.79 191.13 180 top
PCB39  10UF/6.3V|MLCC/+/-10%  [C1206_RD9]  95.38 186.44 0 top
PCB40  10UF/6.3V|MLCC/+/-10%  [C0805]  198.88 192.13 90 top
PCE1  CAP EL 1000U/16V 8*20 DIP-T  [MB_CE_1000U_16V_8X20_LFH]  30.4 180.16 0 top
PCE2  CAP EL 1000U/16V 8*20 DIP-T  [MB_CE_1000U_16V_8X20_LFH]  29.64 203.81 0 top
PCE6  CAP EL 820UF/6.3V 8*11.5 20%  [MB_CE_820U_6D3V_8X12_LFH]  40.13 123.95 0 top
PCE7  CAP EL 820UF/6.3V 8*11.5 20%  [MB_CE_820U_6D3V_8X12_LFH]  208.25 205.13 270 top
PCE9  CAP EL 1000U/16V 8*20 DIP-T  [MB_CE_1000U_16V_8X20_LFH]  35.56 152.3 0 top
PCE10  CAP EL 680UF/4V 8*9 DIP-T  [MB_CE_680U_4V_8X8_LFH#2]  59.99 171.35 270 top
PCE11  CAP EL 680UF/4V 8*9 DIP-T  [MB_CE_680U_4V_8X8_LFH#2]  59.99 181 270 top
PCE12  CAP PL 820UF/2.5V 8*8 DIP-T  [MB_CE_820U_2D5V_8X9_LFH]  59.99 191.16 270 top
PCE13  CAP PL 820UF/2.5V 8*8 DIP-T  [MB_CE_820U_2D5V_8X9_LFH]  59.99 201.45 270 top
PCE14  CAP PL 820UF/2.5V 8*8 DIP-T  [MB_CE_820U_2D5V_8X9_LFH]  59.99 211.73 270 top
PCE15  680UF/4V|EL/LF_T=2000HRS_105C/+/-20%  [MB_CE_680U_4V_8X8_LFH]  54.05 218.26 270 top
PCE16  CAP PL 820UF/2.5V 8*8 DIP-T  [MB_CE_820U_2D5V_8X9_LFH]  82.98 222.73 270 top
PCE17  CAP PL 820UF/2.5V 8*8 DIP-T  [MB_CE_820U_2D5V_8X9_LFH]  92.13 222.73 270 top
PCE18  CAP PL 820UF/2.5V 8*8 DIP-T  [MB_CE_820U_2D5V_8X9_LFH]  101.27 222.73 270 top
PCE20  1800UF/6.3V|EL/LF_T=2000HRS_105C/+/-20%  [MB_CE_1800U_6D3V_8X20_LFH]  125.58 235.1 270 top
PCE21  1000UF/16V|EL/LF_T=3000HRS_105C/+/-20%  [MB_CE_1000U_16V_8X20_LFH]  45.26 233.17 0 top
PCE22  CAP EL 1000U/16V 8*20 DIP-T  [MB_CE_1000U_16V_8X20_LFH]  67.89 235.1 0 top
PCE23  CAP EL 680UF/4V 8*9 DIP-T  [MB_CE_680U_4V_8X8_LFH]  54.36 163.7 270 top
PCE37  820UF/6.3V|EL/LF_T=2000HRS_105C/+/-20%  [MB_CE_820U_6D3V_8X12_LFH]  196.6 95.63 270 top
PCE38  CAP EL 820UF/6.3V 8*11.5 20%  [MB_CE_820U_6D3V_8X12_LFH]  196.39 178.94 270 top
PCE42  CAP EL 820UF/6.3V 8*11.5 20%  [MB_CE_820U_6D3V_8X12_LFH]  227.33 55.91 0 top
PCE44  CAP EL 820UF/6.3V 8*11.5 20%  [MB_CE_820U_6D3V_8X12_LFH]  194.34 222.83 270 top
PCE45  CAP EL 820UF/6.3V 8*11.5 20%  [MB_CE_820U_6D3V_8X12_LFH]  194.56 159.26 270 top
PCE46  CAP EL 820UF/6.3V 8*11.5 20%  [MB_CE_820U_6D3V_8X12_LFH]  165.74 95.89 0 top
PCE47  CAP EL 820UF/6.3V 8*11.5 20%  [MB_CE_820U_6D3V_8X12_LFH]  162.94 178.44 0 top
PCE49  CAP EL 820UF/6.3V 8*11.5 20%  [MB_CE_820U_6D3V_8X12_LFH]  235.71 53.34 0 top
PCE50  CAP EL 330UF/6.3V 6.3*11 DIP-T  [MB_CE_330U_6D3V_6D3X11_LFH]  179.73 73.53 270 top
PCE51  CAP EL 820UF/6.3V 8*11.5 20%  [MB_CE_820U_6D3V_8X12_LFH]  83.06 127.13 0 top
PCE52  820UF/6.3V|EL/LF_T=2000HRS_105C/+/-20%  [MB_CE_820U_6D3V_8X12_LFH]  80.9 135.51 0 top
PCE54  CAP EL 820UF/6.3V 8*11.5 20%  [MB_CE_820U_6D3V_8X12_LFH]  186.11 77.98 270 top
PCE55  CAP EL 820UF/6.3V 8*11.5 20%  [MB_CE_820U_6D3V_8X12_LFH]  140.89 90.73 270 top
PCE56  CAP EL 820UF/6.3V 8*11.5 20%  [MB_CE_820U_6D3V_8X12_LFH]  101.68 91.44 0 top
PCE57  820UF/6.3V|EL/LF_T=2000HRS_105C/+/-20%  [MB_CE_820U_6D3V_8X12_LFH]  116.46 72.14 270 top
PCE58  CAP EL 100UF/16V 5*11 DIP-T  [MB_CE_100U_16V_5X11_LFH]  202.97 236.96 270 top
PCE59  CAP EL 100UF/16V 5*11 DIP-T  [MB_CE_100U_16V_5X11_LFH]  64.52 139.95 270 top
PCE60  150UF/2V|TAN/LF_T=1000HRS_105C/+/-20%  [C7343D_H122]  98.68 193.68 180 bottom
PCE61  150UF/2V|TAN/LF_T=1000HRS_105C/+/-20%  [C7343D_H122]  93.34 193.68 180 bottom
PCI2  SLOT 120P G/F NYLON  [SLOT_PCI_120P_100_5V_LF3]  765.49 -178.12 270 top
PD2  SOT323|BAW56W  [SOT323]  47.68 181.69 180 top
PD3  SOT323|BAW56W  [SOT323]  52.12 203.78 180 top
PD4  SOT323|BAW56W  [SOT323]  147.98 233.88 180 top
PD5  SOT323|BAW56W  [SOT323]  47.68 179.02 0 top
PD15  SOT323|BAT54CW  [SOT323]  176.5 232.18 270 top
PD16  SOT323|BAT54CW  [SOT323]  134.75 65.53 0 top
PD17  SOT323|BAW56W  [SOT323]  60.07 141.22 90 top
PJP1  SHORTPIN|SHORTPIN  [SHORTPIN#2]  47.8 197.82 270 bottom
PJP2  SHORTPIN|SHORTPIN  [SHORTPIN#2]  45.62 223.34 270 bottom
PJP3  SHORTPIN|SHORTPIN  [SHORTPIN#2]  47.62 170.56 270 bottom
PJP4  SHORTPIN|SHORTPIN  [SHORTPIN]  117.75 223.19 0 bottom
PJP5  MB_SHORTPIN_RECTANGLE_LF3|SHORT_PIN  [MB_SHORTPIN_RECTANGLE_LF3]  152.55 231.47 180 top
PJP6  SHORTPIN|SHORTPIN  [SHORTPIN#2]  90.55 187.99 270 bottom
PJP7  SHORTPIN|SHORTPIN  [SHORTPIN#2]  90.55 186.56 270 bottom
PL1  ~  [COIL_394_BD354_V_H610_LF3]  40.89 142.49 270 top
PL2  ~  [COIL_307_BD669_HD101_3V_LF3]  43.74 193.5 90 top
PL3  ~  [COIL_307_BD669_HD101_3V_LF3]  43.59 219.79 90 top
PL4  ~  [COIL_295_BD669_HD101_3H_LF3]  113.54 225.65 0 top
PL5  ~  [COIL_307_BD669_HD101_3V_LF3]  43.74 165.66 90 top
PLED1  HD_1X3P_100_LF3|HEADER_1X3P  [HD_1X3P_100_LF3]  211.84 15.49 0 top
